# Altium PCB cor-balance.PcbDoc
Units mm, origin at the board's own origin, x right, y up, seen from the top; angles counter-clockwise.
Board outline 100 x 24 mm, 2 copper layers (Top Layer, Bottom Layer), stack 1.071 mm thick; 72 components, 65 nets, 265 pads, 3 vias.
Unrouted connection lines stored in the file: 160.
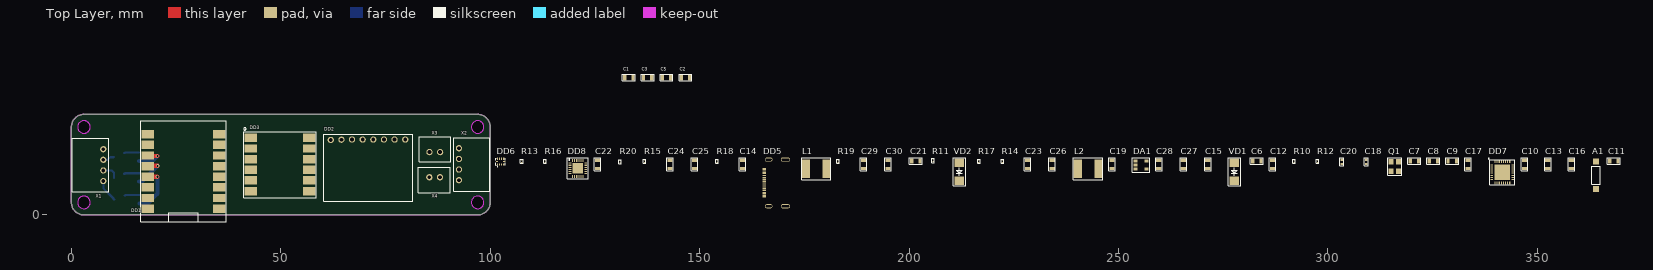
[diagram p0: Top Layer view]
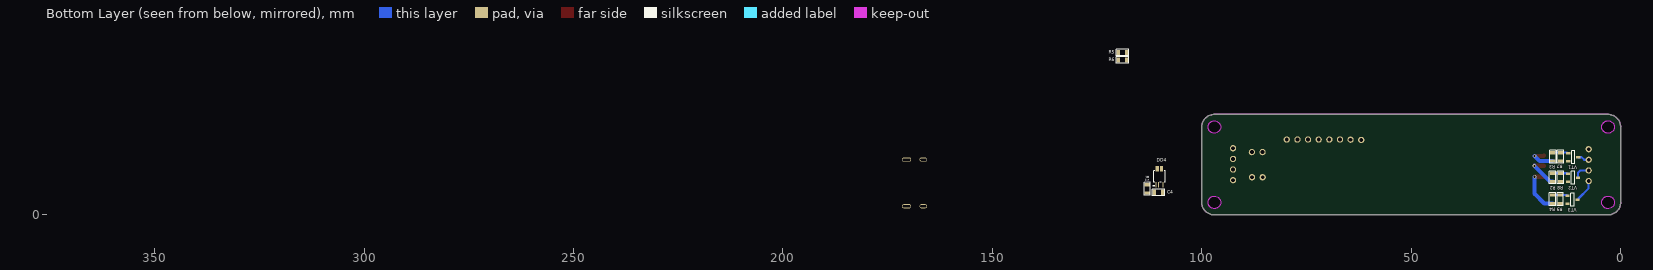
[diagram p1: Bottom Layer view, seen from below]

## Layer stack, top to bottom
Top Solder: solder mask 0.0102, Solder Resist, Dk 3.5
Top Layer: signal copper 0.0356
Dielectric 1: dielectric 1, FR-4, Dk 4.8
Bottom Layer: signal copper 0.0356
Bottom Solder: solder mask 0.0102, Solder Resist, Dk 3.5

## Board outline
0,3 ccw(c3,3) 3,0 97,0 ccw(c97,3) 100,3 100,21 ccw(c97,21) 97,24 3,24 ccw(c3,21) 0,21
cut-out: 95.5,3 ccw(c97,3) 97,1.5 ccw(c97,3) 98.5,3 ccw(c97,3) 97,4.5 ccw(c97,3)
cut-out: 95.5,21 ccw(c97,21) 97,19.5 ccw(c97,21) 98.5,21 ccw(c97,21) 97,22.5 ccw(c97,21)
cut-out: 1.5,3 ccw(c3,3) 3,1.5 ccw(c3,3) 4.5,3 ccw(c3,3) 3,4.5 ccw(c3,3)
cut-out: 1.5,21 ccw(c3,21) 3,19.5 ccw(c3,21) 4.5,21 ccw(c3,21) 3,22.5 ccw(c3,21)

## Design rules (kind name [scope] priority, off if disabled: settings)
Clearance Clearance_1 [All vs InNet('GND_1')] p1: gap=0.2 ignorepadtopadclearanceinfootprint=FALSE
Clearance [All vs InNet('GND')] p2: gap=0.25 ignorepadtopadclearanceinfootprint=FALSE except(0.2: SMDPad-SMDPad SMDPad-THPad SMDPad-Via SMDPad-Fill SMDPad-Poly SMDPad-Region SMDPad-Text SMDPad-Hole THPad-THPad THPad-Via THPad-Fill THPad-Poly THPad-Region THPad-Text THPad-Hole Text-Text Text-Hole)
ComponentClearance [All] p1: gap=-3 collisioncheckmode=3 verticalgap=0.254 showdistances=FALSE
DiffPairsRouting [All] p1: maxlimit=0.254 minlimit=0.254 mostfreqgap=0.254 substack1={A23D90DD-733B-49C5-8102-56B3D284E3A0} toplayer_{a23d90dd-733b-49c5-8102-56b3d284e3a0}_minwidth=0.381 toplayer_{a23d90dd-733b-49c5-8102-56b3d284e3a0}_maxwidth=0.381 toplayer_{a23d90dd-733b-49c5-8102-56b3d284e3a0}_prefwidth=0.381 bottomlayer_{a23d90dd-733b-49c5-8102-56b3d284e3a0}_minwidth=0.381 bottomlayer_{a23d90dd-733b-49c5-8102-56b3d284e3a0}_maxwidth=0.381 bottomlayer_{a23d90dd-733b-49c5-8102-56b3d284e3a0}_prefwidth=0.381 toplayer_minwidth=0.381 toplayer_maxwidth=0.381 toplayer_prefwidth=0.381 bottomlayer_minwidth=0.381 bottomlayer_maxwidth=0.381 bottomlayer_prefwidth=0.381 substack2={0B3DB408-A969-412D-8C07-BA8AE97219D9} toplayer_{0b3db408-a969-412d-8c07-ba8ae97219d9}_minwidth=0.381 toplayer_{0b3db408-a969-412d-8c07-ba8ae97219d9}_maxwidth=0.381 toplayer_{0b3db408-a969-412d-8c07-ba8ae97219d9}_prefwidth=0.381 bottomlayer_{0b3db408-a969-412d-8c07-ba8ae97219d9}_minwidth=0.381 bottomlayer_{0b3db408-a969-412d-8c07-ba8ae97219d9}_maxwidth=0.381 bottomlayer_{0b3db408-a969-412d-8c07-ba8ae97219d9}_prefwidth=0.381 substack3={378827E6-B38F-4565-9D2F-710D8D441C30} toplayer_{378827e6-b38f-4565-9d2f-710d8d441c30}_minwidth=0.381 toplayer_{378827e6-b38f-4565-9d2f-710d8d441c30}_maxwidth=0.381 toplayer_{378827e6-b38f-4565-9d2f-710d8d441c30}_prefwidth=0.381 bottomlayer_{378827e6-b38f-4565-9d2f-710d8d441c30}_minwidth=0.381 bottomlayer_{378827e6-b38f-4565-9d2f-710d8d441c30}_maxwidth=0.381 bottomlayer_{378827e6-b38f-4565-9d2f-710d8d441c30}_prefwidth=0.381 substack4={1E65D4A7-266F-4925-B814-5E9C4A66F8EE} toplayer_{1e65d4a7-266f-4925-b814-5e9c4a66f8ee}_minwidth=0.381 toplayer_{1e65d4a7-266f-4925-b814-5e9c4a66f8ee}_maxwidth=0.381 toplayer_{1e65d4a7-266f-4925-b814-5e9c4a66f8ee}_prefwidth=0.381 bottomlayer_{1e65d4a7-266f-4925-b814-5e9c4a66f8ee}_minwidth=0.381 bottomlayer_{1e65d4a7-266f-4925-b814-5e9c4a66f8ee}_maxwidth=0.381 bottomlayer_{1e65d4a7-266f-4925-b814-5e9c4a66f8ee}_prefwidth=0.381 substack5={93C5D03E-862D-45F8-9871-970EEA9B3F11} toplayer_{93c5d03e-862d-45f8-9871-970eea9b3f11}_minwidth=0.381 toplayer_{93c5d03e-862d-45f8-9871-970eea9b3f11}_maxwidth=0.381 toplayer_{93c5d03e-862d-45f8-9871-970eea9b3f11}_prefwidth=0.381 bottomlayer_{93c5d03e-862d-45f8-9871-970eea9b3f11}_minwidth=0.381 bottomlayer_{93c5d03e-862d-45f8-9871-970eea9b3f11}_maxwidth=0.381 bottomlayer_{93c5d03e-862d-45f8-9871-970eea9b3f11}_prefwidth=0.381 maxuncoupledlength=12.7
Height [All] p1: minheight=0 maxheight=50 prefheight=33
HoleSize [All] p1: absolutevalues=TRUE maxlimit=6 minlimit=0.01 maxpercent=80.000 minpercent=20.000
HoleToHoleClearance [All] p1: gap=0.1 allowstackedmicrovias=TRUE
MinimumSolderMaskSliver [All] p1: minsoldermaskwidth=0.1
PlaneClearance [All] p1: clearance=0.7
PlaneConnect [All] p1: planeconnectstyle=Direct reliefexpansion=0.5 reliefentries=4 reliefconductorwidth=0.5 reliefairgap=0.15
PolygonConnect VQFN20 [HasFootprint('VQFN20')] p1: connectstyle=Direct reliefconductorwidth=0.254 reliefentries=4 polygonreliefangle="90 Angle" airgapwidth=0.254
PolygonConnect [All] p2: connectstyle=Direct reliefconductorwidth=0.3 reliefentries=4 polygonreliefangle="90 Angle" airgapwidth=0.15
RoutingVias [All] p1: holewidth=0.1 width=0.1 viastyle="Through Hole" minholewidth=0 minwidth=0.3 maxholewidth=2 maxwidth=4
ShortCircuit [All] p1: allowed=TRUE
SilkToSolderMaskClearance [IsPad] p1: minsilkscreentomaskgap=0.1 clearancetoexposedcopper=TRUE
SolderMaskExpansion SolderMaskExpansion_Via [IsVia] p1: expansion=0.102 istentingtop=TRUE
SolderMaskExpansion [All] p2: expansion=0.01 istentingtop=FALSE
UnRoutedNet [All] p1: checkbadconnections=TRUE
Width [All] p1: maxlimit=5 minlimit=0.2 preferedwidth=0.3 substack1={A23D90DD-733B-49C5-8102-56B3D284E3A0} substack2={0B3DB408-A969-412D-8C07-BA8AE97219D9} substack3={378827E6-B38F-4565-9D2F-710D8D441C30} substack4={1E65D4A7-266F-4925-B814-5E9C4A66F8EE} substack5={93C5D03E-862D-45F8-9871-970EEA9B3F11}
19 further rules are at their usual default settings.

## Components (designator, comment, footprint, x,y, rotation, side; value= is the part's Value field where it differs from the comment)
A1 "CA-C03" CA-C03 363.994,9.496 r90 top
C1 "100nF" CAP-0805 133.083,32.771 r0 top
C2 "100nF" CAP-0805 146.634,32.771 r0 top
C3 "0.1uF" CAP-0805 137.583,32.771 r0 top
C4 "100nF" CAP-0805 110.35,5.4 r0 bottom
C5 "100nF" CAP-0805 142.108,32.771 r0 top
C6 "10nF" CAP-0805 283.04,12.871 r0 top
C7 "10uF" CAP-0805 320.642,12.871 r0 top
C8 "1uF" CAP-0805 325.167,12.871 r0 top
C9 "100nF" CAP-0805 329.693,12.871 r0 top
C10 "10nF" CAP-0805 346.918,12.096 r90 top
C11 "10nF" CAP-0805 368.269,12.871 r0 top
C12 "100nF" CAP-0805 286.79,12.096 r90 top
C13 "10nF" CAP-0805 352.519,12.096 r90 top
C14 "100nF" CAP-0805 160.234,12.096 r90 top
C15 "100nF" CAP-0805 271.34,12.096 r90 top
C16 "1uF" CAP-0805 358.119,12.096 r90 top
C17 "10nF" CAP-0805 333.443,12.096 r90 top
C18 "15pF" CAP-0402 309.167,12.671 r90 top
C19 "10uF" CAP-0805 248.464,12.096 r90 top
C20 "15pF" CAP-0402 303.316,12.671 r90 top
C21 "47nF" CAP-0805 201.611,12.871 r0 top
C22 "10uF" CAP-0805 125.633,12.096 r90 top
C23 "4.7uF" CAP-0805 228.313,12.096 r90 top
C24 "10uF" CAP-0805 142.933,12.096 r90 top
C25 "10uF" CAP-0805 148.784,12.096 r90 top
C26 "10uF" CAP-0805 234.163,12.096 r90 top
C27 "1uF" CAP-0805 265.489,12.096 r90 top
C28 "1uF" CAP-0805 259.639,12.096 r90 top
C29 "10uF" CAP-0805 189.136,12.096 r90 top
C30 "10uF" CAP-0805 194.986,12.096 r90 top
DA1 "ME6211" SOT23-5 255.364,11.921 r0 top
DD1 "esp32-c3 mini" "esp32-c3 mini" 26.775,10.5 r180 top
DD2 "MPU6050" MPU6050 70.825,18.05 r0 top
DD3 "JY31N" JY31N 49.8,12.05 r0 top
DD4 "XB7608A" XB7608A 110.125,9.15 r180 bottom
DD5 "TYPE_C_D_231__KLS1_5463" TYPE-C-D-231__KLS1-5463 172.585,7.646 r90 top
DD6 "TS3USB221" TS3USB221 102.531,12.771 r0 top
DD7 "ESP32_C3" "QFN-32 (5x5)" 341.668,10.221 r0 top
DD8 "BQ25895" WQFN-24 120.907,11.121 r0 top
L1 "2.2uH" SND_0504 177.81,11.021 r0 top
L2 "4.7uH" SND_0504 242.738,11.021 r0 top
Q1 "OSC-4-PIN" OSC-QSMD3.2x2.5x1.0 315.967,11.571 r0 top
R1 "1K" RES-0805 113.025,6.225 r90 bottom
R2 "100" RES-0805 16.225,8.95 r270 bottom
R3 "100" RES-0805 16.192,13.875 r270 bottom
R4 "100" RES-0805 16.292,3.75 r270 bottom
R5 "10K" RES-0805 118.908,38.771 r180 bottom
R6 "10K" RES-0805 118.925,37.025 r180 bottom
R7 "10K" RES-0805 14.313,13.875 r270 bottom
R8 "10K" RES-0805 14.325,8.95 r270 bottom
R9 "10K" RES-0805 14.425,3.75 r270 bottom
R10 "10K" RES-0201 291.941,12.821 r90 top
R11 "10K" RES-0201 205.736,13.046 r90 top
R12 "10K" RES-0201 297.541,12.821 r90 top
R13 "10K" RES-0201 107.532,12.821 r90 top
R14 "10K" RES-0201 222.262,12.821 r90 top
R15 "10K" RES-0201 136.883,12.821 r90 top
R16 "10K" RES-0201 113.107,12.821 r90 top
R17 "10K" RES-0201 216.662,12.821 r90 top
R18 "260" RES-0201 154.184,12.821 r90 top
R19 "75K" RES-0201 183.085,12.821 r90 top
R20 "10K" RES-0201 131.033,12.696 r90 top
VD1 "DIODE" "DO-214AC, SMA" 277.665,10.271 r90 top
VD2 "DIODE" "DO-214AC, SMA" 212.012,10.271 r90 top
VT1 "MOSFET-N-GSD" SOT23-3 11.321,13.825 r180 bottom
VT2 "MOSFET-N-GSD" SOT23-3 11.344,8.879 r180 bottom
VT3 "MOSFET-N-GSD" SOT23-3 11.496,3.679 r180 bottom
X1 "CONN-4-PIN" CONN-PLS-4-2.54mm 7.625,15.7 r270 top locked
X2 "CONN-4-PIN" CONN-PLS-4-2.54mm 92.525,8.3 r90 top
X3 "CONN-2-PIN" CONN-PLS-2-2.54mm 85.5,15 r0 top
X4 "CONN-2-PIN" CONN-PLS-2-2.54mm 88,9 r180 top

## Footprints (in the part's own frame and the unit in brackets; to place one, negate y for a bottom-side part, rotate by r counter-clockwise, add the part's x,y. Pads: shape width x height; smd on the part's side, far side on the other; paste and mask are expansions set on the pad)
CA-C03 [mm]
  rect 1.5x1.45 smd: 1(-3.275,0) 2(3.275,0)
  silkscreen extent -2.17,-1.02 2.17,1.05, body extent -3.25,-1 3.25,1, height 1.03
CAP-0402 [mm]
  rect 0.5x0.6 smd: 1(-0.5,0) 2(0.5,0)
  silkscreen extent -0.95,-0.5 0.95,0.5, body extent -0.52,-0.27 0.53,0.28, height 0.55
CAP-0805 [mm]
  rect 0.8x1.25 smd mask+0.015: 1(-1,0) 2(1,0)
  silkscreen extent -1.52,-0.76 1.52,0.76, body extent -1,-0.62 1,0.63, height 0.8
CONN-PLS-2-2.54mm [mm]
  round 1.5 hole 0.9: 1(0,0) 2(2.54,0)
  silkscreen extent -2.5,-2.35 5.13,3.65, body extent -2.4,-2.25 5,3.55, height 7
CONN-PLS-4-2.54mm [mm]
  round 1.5 hole 0.9: 1(0,0) 2(2.54,0) 3(5.08,0) 4(7.62,0)
  silkscreen extent -2.6,-7.37 10.15,1.25, body extent -2.45,-7.3 10.05,0.3, height 5.9
"DO-214AC, SMA" [mm]
  rect 2x2.3 smd: 1(-2.15,0) 2(2.15,0)
  silkscreen extent -3.35,-1.5 3.35,1.5, body extent -2.74,-1.4 2.74,1.4, height 2.24
"esp32-c3 mini" [mm]
  rect 3x2 smd: 1(-8.5,9) 2(-8.5,6.46) 3(-8.5,3.92) 4(-8.5,1.38) 5(-8.5,-1.16) 6(-8.5,-3.7) 7(-8.5,-6.24) 8(-8.5,-8.78) 9(8.5,-8.78) 10(8.5,-6.24) 11(8.5,-3.7) 12(8.5,-1.16) 13(8.5,1.38) 14(8.5,3.92) 15(8.5,6.46) 16(8.5,9)
  silkscreen extent -10.2,-12 10.2,12.1, body extent -9.01,-12 9.01,11.9, height 3.85
JY31N [mm]
  rect 3x2 smd: 1(-7,6.35) 2(-7,3.81) 3(-7,1.27) 4(-7,-1.27) 5(-7,-3.81) 6(-7,-6.35) 7(7,-6.35) 8(7,-3.81) 9(7,-1.27) 10(7,1.27) 11(7,3.81) 12(7,6.35)
  silkscreen extent -8.7,-7.9 8.7,8.8, body extent -7.63,-7.57 7.63,7.57, height 2.65
MPU6050 [mm]
  round 1.5 hole 0.9: 1(-8.895,-0.13) 2(-6.355,-0.08) 3(-3.815,-0.03) 4(-1.275,-0.05) 5(1.265,-0.05) 6(3.805,-0.05) 7(6.345,-0.05) 8(8.885,-0.05)
  silkscreen extent -10.6,-14.75 10.72,1.2, body extent -10.48,-14.65 10.63,1.23, height 6.14
OSC-QSMD3.2x2.5x1.0 [mm]
  rect 1.1x1.3 smd paste+0 mask+0.05: 1(-0.9,1.15) 2(-0.9,-1.15) 3(0.9,-1.15) 4(0.9,1.15)
  silkscreen extent -1.7,-2.05 1.7,2.05, body extent -1.25,-1.6 1.25,1.6, height 1
"QFN-32 (5x5)" [mm]
  rect 0.7x0.25 smd: 1(-2.55,1.75) 2(-2.55,1.25) 3(-2.55,0.75) 4(-2.55,0.25) 5(-2.55,-0.25) 6(-2.55,-0.75) 7(-2.55,-1.25) 8(-2.55,-1.75) 17(2.55,-1.75) 18(2.55,-1.25) 19(2.55,-0.75) 20(2.55,-0.25) 21(2.55,0.25) 22(2.55,0.75) 23(2.55,1.25) 24(2.55,1.75)
  rect 0.25x0.7 smd: 9(-1.75,-2.55) 10(-1.25,-2.55) 11(-0.75,-2.55) 12(-0.25,-2.55) 13(0.25,-2.55) 14(0.75,-2.55) 15(1.25,-2.55) 16(1.75,-2.55) 25(1.75,2.55) 26(1.25,2.55) 27(0.75,2.55) 28(0.25,2.55) 29(-0.25,2.55) 30(-0.75,2.55) 31(-1.25,2.55) 32(-1.75,2.55)
  rect 3.7x3.7 smd: 33(0,0)
  silkscreen extent -3.37,-3 3,3.37, body extent -2.5,-2.5 2.5,2.5, height 0.95
RES-0201 [mm]
  rect 0.25x0.35 smd: 1(-0.275,0) 2(0.275,0)
  silkscreen extent -0.53,-0.3 0.53,0.3, body extent -0.3,-0.15 0.3,0.15, height 0.15
RES-0805 [mm]
  rect 0.8x1.25 smd mask+0.015: 1(-1,0) 2(1,0)
  silkscreen extent -1.52,-0.76 1.52,0.76, body extent -1,-0.62 1,0.63, height 0.6
SND_0504 [mm]
  rect 2x4.5 smd: 1(-2.5,0) 2(2.5,0)
  silkscreen extent -3.47,-2.6 3.5,2.6, body extent -2.88,-2.6 2.88,2.6, height 4.5
SOT23-3 [mm]
  rect 1x0.6 smd: 1(-1.2,0.95) 2(-1.2,-0.95) 3(1.2,0)
  silkscreen extent -0.4,-1.55 0.4,1.55, body extent -1.25,-1.46 1.23,1.46, height 1.02
SOT23-5 [mm]
  rect 1x0.66 smd: 1(-1.3,0.95) 2(-1.3,0) 3(-1.3,-0.95) 4(1.3,-0.95) 5(1.3,0.95)
  silkscreen extent -2.05,-1.7 2.05,1.7, body extent -1.25,-1.5 1.25,1.5, height 1.08
TS3USB221 [mm]
  rect 0.25x0.525 smd paste+0 mask+0.051: 1(-0.8,-0.7) 2(-0.3,-0.7) 3(0.2,-0.7) 4(0.7,-0.7) 6(0.7,0.65) 7(0.2,0.65) 8(-0.3,0.65) 9(-0.8,0.65)
  rect 0.58x0.3 smd paste+0 mask+0.051: 5(0.81,-0.025) 10(-0.91,-0.025)
  silkscreen extent -1.15,-1.3 1.05,0.83, body extent -1.05,-0.78 0.95,0.72, height 0.5
TYPE-C-D-231__KLS1-5463 [mm]
  rect 0.6x0.8 smd mask+0.05: 1(-3.225,7.15) 2(-2.425,7.15) 11(2.425,7.15) 12(3.225,7.15)
  rect 0.3x0.8 smd mask+0.05: 3(-1.75,7.15) 4(-1.25,7.15) 5(-0.75,7.15) 6(-0.25,7.15) 7(0.25,7.15) 8(0.75,7.15) 9(1.25,7.15) 10(1.75,7.15)
  oval 1x1.8 hole 0.5 slot 1.4 at 90 deg: 12(-5.575,6.1) 12(5.575,6.1)
  oval 1x2.2 hole 0.5 slot 1.8 at 90 deg: 12(-5.575,2.1) 12(5.575,2.1)
  body extent -5.68,0 5.68,7.2, height 2.43
WQFN-24 [mm]
  rect 0.7x0.25 smd mask+0.05: 1(-1.9,1.25) 2(-1.9,0.75) 3(-1.9,0.25) 4(-1.9,-0.25) 5(-1.9,-0.75) 6(-1.9,-1.25) 13(1.9,-1.25) 14(1.9,-0.75) 15(1.9,-0.25) 16(1.9,0.25) 17(1.9,0.75) 18(1.9,1.25)
  rect 0.25x0.7 smd mask+0.05: 7(-1.25,-1.9) 8(-0.75,-1.9) 9(-0.25,-1.9) 10(0.25,-1.9) 11(0.75,-1.9) 12(1.25,-1.9) 19(1.25,1.9) 20(0.75,1.9) 21(0.25,1.9) 22(-0.25,1.9) 23(-0.75,1.9) 24(-1.25,1.9)
  rect 2.45x2.45 smd mask+0.05: 25(0,0)
  silkscreen extent -2.5,-2.5 2.5,2.5, body extent -2.01,-2.01 2.01,2.01, height 0.8
XB7608A [mm]
  rect 0.25x1.3 smd paste+0 mask+0.051: 1(-0.779,-1.917) 2(-0.249,-1.917) 3(0.811,-1.917)
  rect 0.75x1.3 smd paste+0 mask+0.051: 4(0.546,1.883) 5(-0.514,1.883)
  silkscreen extent -1.51,-2.3 1.38,1.35, body extent -1.32,-2.08 1.38,2.08, height 1.05

## Part data
C1 C2 C3 C4 C5 C6 C7 C8 C9 C10 C11 C12 C13 C14 C15 C16 C17 C18 C19 C20 C21 C22 C23 C24 C25 C26 C27 C28 C29 C30: library part CAP-NON-POLAR
L1 L2: library part IND-CONST
R1 R2 R3 R4: library part RES-CONST, "10K"
R5 R6 R7 R8 R9 R10 R11 R12 R13 R14 R15 R16 R17 R18 R19 R20: library part RES-CONST

## Via types
v1: diameter 0.8, hole 0.5, Top Layer to Bottom Layer, tented both sides, 3 vias

## Nets (pads, with @x,y where several pads share a name; then routed paths per layer and width w, separated by ;. In a path a pad name is that pad's centre, name@x,y a point inside that pad or via, vN(x,y) a via of type N, cw(c..) or ccw(c..) an arc to the next point about the centre after c; other vN are vias at no path point)
3V3: C1.1 C3.1 C5.2 C7.2 C8.2 C9.2 C12.1 C14.2 C15.1 C16.1 C17.2 C28.1 DA1.5 DD1.14 DD3.2 DD3.11 DD6.10 DD7.2 DD7.3 DD7.11 DD7.17 DD7.31 DD7.32 R10.2 R12.1 R17.2
+5: C2.2 C27.1 C29.1 C30.1 DA1.1 DA1.3 DD1.16 DD2.8 R5.2 R6.2 R19.2 VD2.1 X1.1 X2.1
BAT: C22.2 DD8.13 DD8.14 R1.1 X4.1
BAT_GND: C4.1 DD4.2 DD4.3 X4.2
BLUE: VT3.3 X1.4 X2.4 | length 5.6
  Bottom Layer w0.5: X1.4 7.625,6.349 10.046,3.929 10.046,3.729 10.096,3.679 VT3.3
BTN: X3.1
D1+: DD6.1 DD8.2
D1-: DD6.2 DD8.3
D2+: DD6.3 DD7.26
D2-: DD6.4 DD7.25
D+: DD5.6 DD5.8 DD6.8
D-: DD5.5 DD5.7 DD6.7
ESP_EN: C6.1 DD7.7 R10.1
GND: C1.2 C2.1 C3.2 C5.1 C6.2 C7.1 C8.1 C9.1 C10.2 C12.2 C13.2 C14.1 C15.2 C16.2 C17.1 C18.1 C19.1 C20.1 C22.1 C23.1 C24.1 C25.1 C26.2 C27.2 C28.2 C29.2 C30.2 DA1.2 DD1.15 DD2.7 DD3.5 DD3.8 DD4.4 DD4.5 DD5.1 DD5.12 DD6.5 DD7.33 DD8.9 DD8.17 DD8.18 Q1.2 Q1.4 R7.2 R8.2 R9.2 R11.1 R13.1 R14.2 R16.1 R18.1 R20.1 VT1.2 VT2.2 VT3.2 X3.2
GPIO_0: DD7.4
GPIO_1: DD7.5
GPIO_2: DD7.6 R12.2
GPIO_3: DD7.8
GPIO_4: DD7.9
GPIO_5: DD7.10
GPIO_6: DD7.12
GPIO_7: DD7.13
GPIO_8: DD7.14
GPIO_12: DD7.19
GPIO_13: DD7.18 DD7.20
GPIO_14: DD7.21
GPIO_15: DD7.22
GPIO_16: DD7.23
GPIO_17: DD7.24
GPIO_20: DD7.27
GPIO_21: DD7.28
GREEN: VT2.3 X1.3 X2.3 | length 4
  Bottom Layer w0.5: X1.3 9.66,10.62 10.144,10.136 VT2.3
LED_B: DD1.13 R4.2 | length 11.5
  Top Layer w1: DD1.13 v1(20.525,9.12)
  Bottom Layer w1: R4.2 18.225,2.75 20.55,5.075 v1@20.55,9.095
LED_G: DD1.12 R2.2 | length 8.3
  Top Layer w1: DD1.12 18.34,11.725 v1(20.6,11.725)
  Bottom Layer w1: R2.2 16.825,7.95 v1(20.6,11.725)
LED_R: DD1.11 R3.2 | length 7.1
  Top Layer w1: DD1.11 18.4,14.075 v1(20.525,14.075)
  Bottom Layer w1: R3.2 19.325,12.875 v1(20.525,14.075)
NetA1_1: A1.1 C10.1 C11.1
NetC4_2: C4.2 DD4.1 R1.2
NetC11_2: C11.2 C13.1 DD7.1
NetC18_2: C18.2 DD7.29 Q1.1
NetC20_2: C20.2 DD7.30 Q1.3
NetC21_1: C21.1 DD8.19 DD8.20 L1.1
NetC21_2: C21.2 DD8.21
NetC24_2: C24.2 C25.2 DD8.15 DD8.16 L1.2
NetC26_1: C26.1 L2.1
NetDA2_1: L2.2 VD2.2
NetDA2_3: R19.1 R20.2
NetDD5_4: DD5.4 R11.2
NetDD5_10: DD5.10 R14.1
NetDD6_6: DD6.6 R13.2
NetDD8_10: DD8.10 R18.2
NetDD8_11: DD8.11 R15.1 R16.2
NetR2_1: R2.1 R8.1 VT2.1 | length 3.7
  Bottom Layer w0.5: VT2.1 12.744,9.829 12.865,9.95 R8.1 R2.1
NetR3_1: R3.1 R7.1 VT1.1 | length 3.7
  Bottom Layer w0.5: VT1.1 12.721,14.775 12.821,14.875 R3.1
NetR4_1: R4.1 R9.1 VT3.1 | length 3.6
  Bottom Layer w0.5: VT3.1 12.896,4.629 13.017,4.75 R9.1 R4.1
RED: VT1.3 X1.2 X2.2 | length 2.8
  Bottom Layer w0.5: X1.2 7.643,13.178 8.728,13.178 9.325,13.775 10.071,13.775 VT1.3
REGN: C23.2 DD8.22 R15.2
RX_0: DD1.5 DD3.4 DD7.15
RX_1: DD1.7
SCL: DD2.6 DD8.5 R6.1
SDA: DD2.5 DD8.6 R5.1
STAT: DD8.4 R17.1
TX_0: DD1.6 DD3.3 DD7.16
TX_1: DD1.8
USB_SET: DD6.9
VBUS: C19.2 DD5.2 DD5.11 DD8.1
pads on no net: A1.2 DA1.4 DD1.1 DD1.2 DD1.3 DD1.4 DD1.9 DD1.10 DD2.1 DD2.2 DD2.3 DD2.4 DD3.1 DD3.6 DD3.7 DD3.9 DD3.10 DD3.12 DD5.3 DD5.9 DD8.7 DD8.8 DD8.12 DD8.23 DD8.24 DD8.25 VD1.1 VD1.2

## Keep-outs
Keep-Out Layer:
  circle w0.254: c97,21 r1.5
  circle w0.254: c97,3 r1.5
  circle w0.254: c3,3 r1.5
  circle w0.254: c3,21 r1.5
  lines w0.254: 0,21 cw(c3,21) 3,24 97,24 cw(c97,21) 100,21 100,3 cw(c97,3) 97,0 3,0 cw(c3,3) 0,3 0,21.023